# Altium PCB Bran_Main_Assay_PCB_v2_20170826.pcbdoc (part 4 of 4)
Units mm, origin at the board's own origin, x right, y up, seen from the top; angles counter-clockwise.
Board outline 91.65 x 48.25 mm, 6 copper layers (TOP, GND1, Singal, POWER, GND2, BOTTOM), stack 0.8 mm thick; 367 components, 288 nets, 1408 pads, 966 vias.
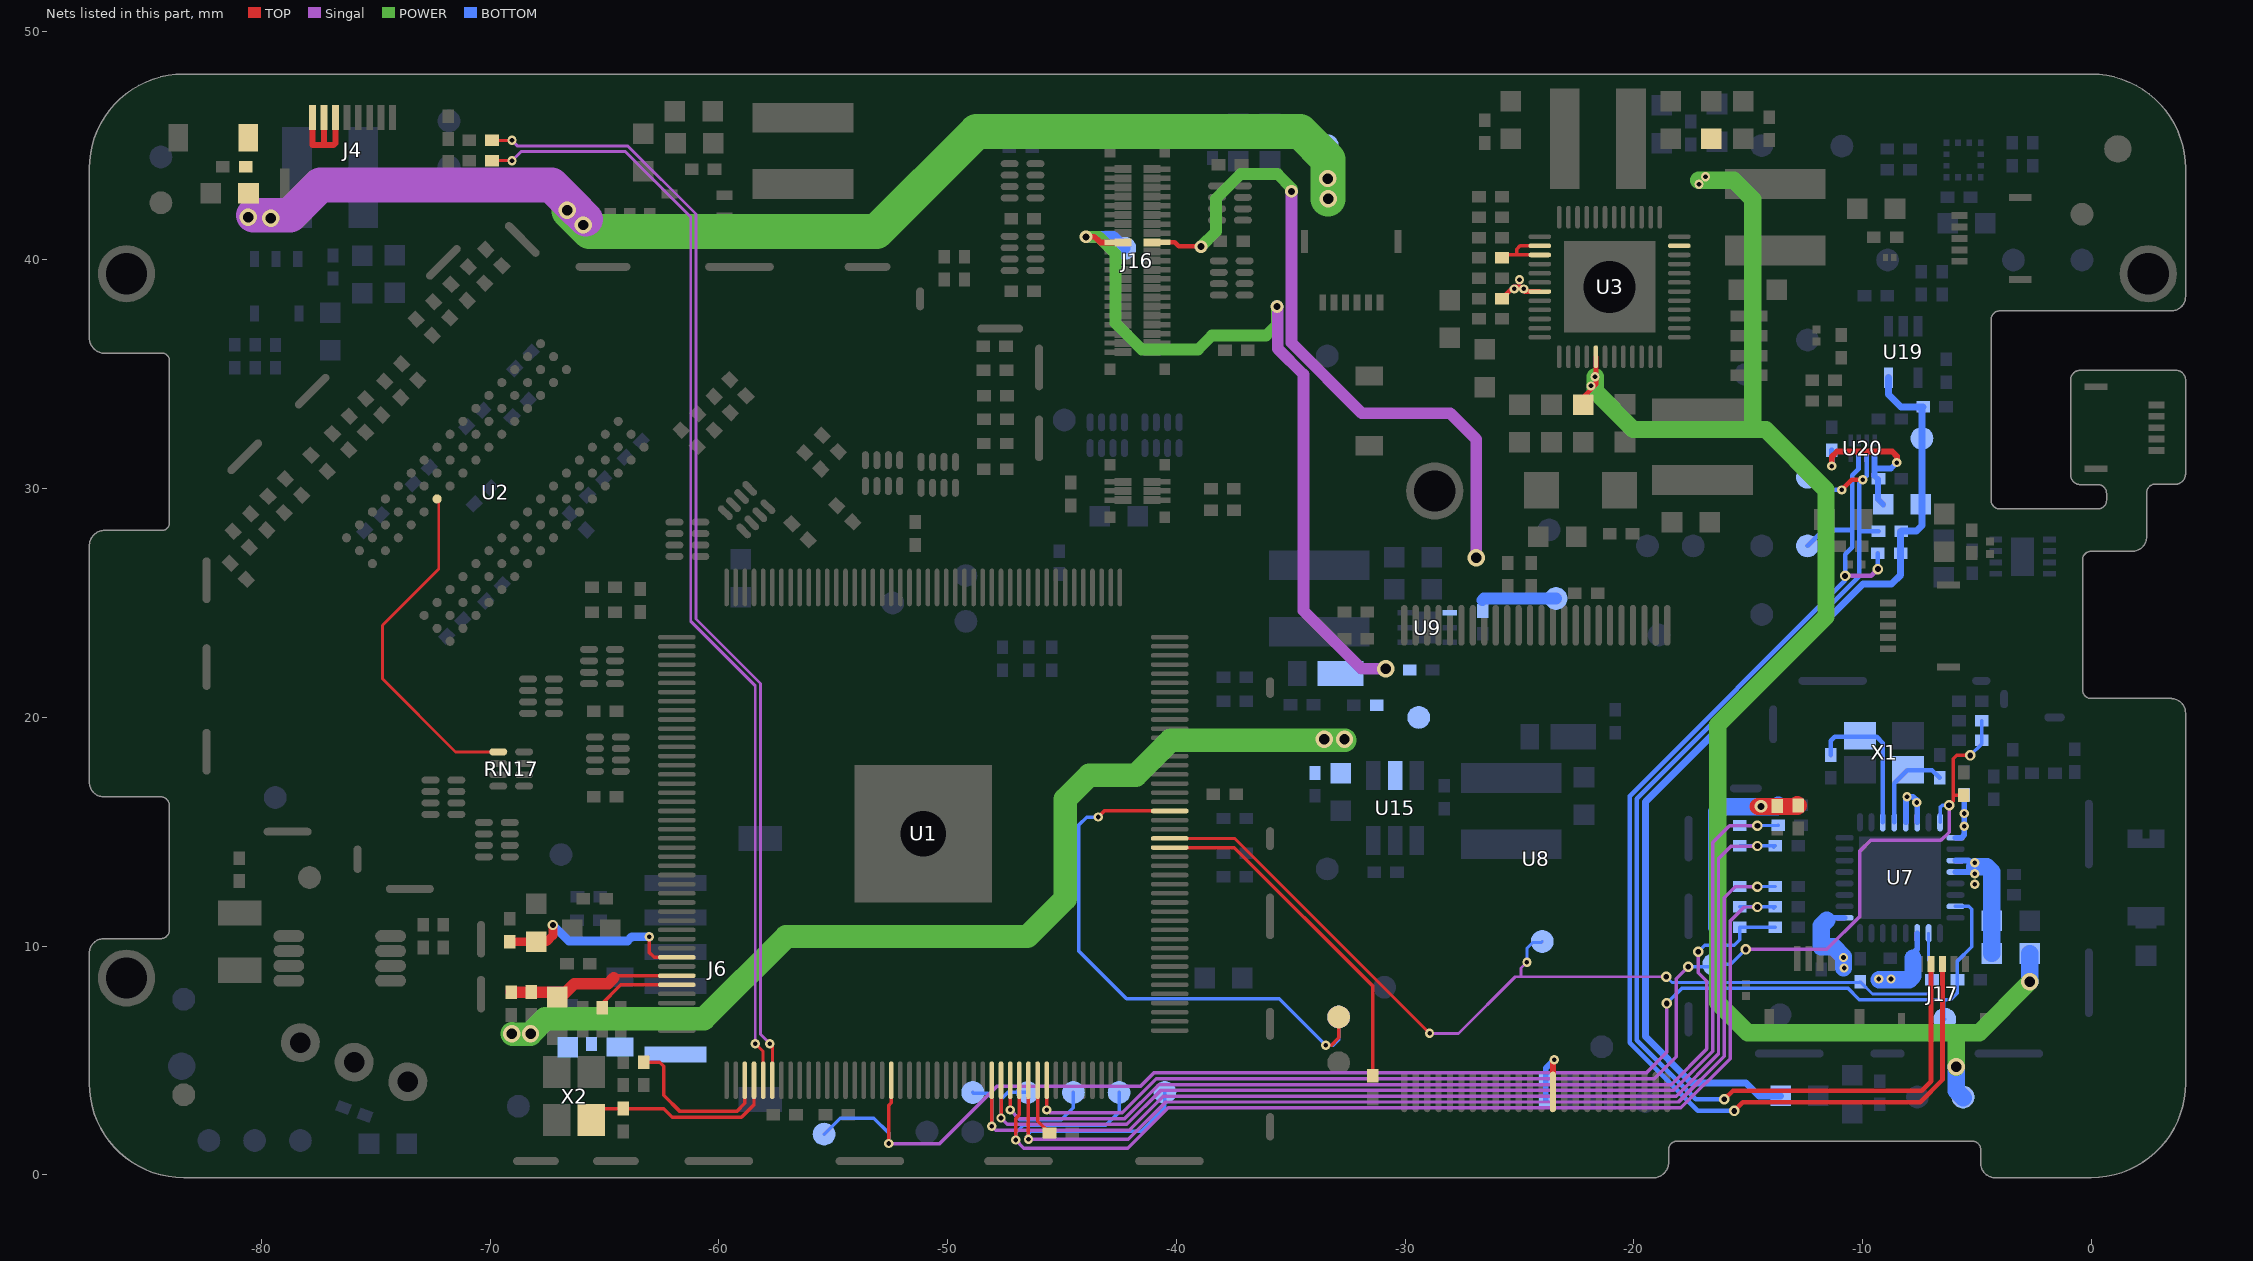
[diagram p8: the nets of this part, all layers, seen from the top]

## Via types
v1: diameter 0.406, hole 0.203, TOP to BOTTOM, tented both sides, 424 vias
v2: diameter 0.457, hole 0.254, TOP to BOTTOM, tented both sides, 256 vias
v3: diameter 0.559, hole 0.305, TOP to BOTTOM, tented both sides, 194 vias
v4: diameter 0.762, hole 0.457, TOP to BOTTOM, tented both sides, 69 vias
v5: diameter 0.61, hole 0.33, TOP to BOTTOM, tented both sides, 11 vias
v6: diameter 0.5, hole 0.2, TOP to BOTTOM, 9 vias
v7: diameter 0.559, hole 0.051, TOP to BOTTOM, tented both sides, 2 vias
v8: diameter 0.508, hole 0.254, TOP to BOTTOM, tented both sides, 1 vias

## Nets (pads, with @x,y where several pads share a name; then routed paths per layer and width w, separated by ;. In a path a pad name is that pad's centre, name@x,y a point inside that pad or via, vN(x,y) a via of type N, cw(c..) or ccw(c..) an arc to the next point about the centre after c; other vN are vias at no path point) (continued)
UBOOT: TP3.1 TP57.1 U1.157 | length 25.3
  TOP w0.152: v1(-43.409,15.642) -43.143,15.908 U1.157@-40.29,15.908 ; -33.231,5.655 -32.9,5.986 TP3.1@-32.9,6.9
  BOTTOM w0.152: v1(-43.409,15.642) -43.917,15.642 -44.263,15.296 -44.263,9.784 -42.176,7.696 -35.496,7.696 v1(-33.464,5.664) -33.145,5.664 -32.9,5.91 TP57.1@-32.9,6.877
USB0-DM: R157.2 U1.93 | length 49.1
  TOP w0.127: R157.2@-69.92,44.342 v1(-69.049,44.342) ; v1(-58.411,5.736) -58.065,5.39 U1.93@-58.065,4.133
  Singal w0.127: v1(-69.049,44.342) -68.642,44.748 -64.096,44.748 -61.23,41.883 -61.23,24.202 -58.411,21.382 v1(-58.411,5.736)
USB0-DP: R158.2 U1.94 | length 49.5
  TOP w0.127: R158.2@-69.92,45.231 v1(-69.049,45.231) ; v1(-57.776,5.736) -57.665,5.625 U1.94@-57.665,4.133
  Singal w0.127: v1(-69.049,45.231) -68.795,44.977 -63.969,44.977 -61.002,42.01 -61.002,24.296 -58.182,21.477 -58.182,6.142 v1(-57.776,5.736)
USB0-IDET: R99.1 U1.153 | length 15.3
  TOP w0.152: U1.153@-40.29,14.308 -37.459,14.308 -31.42,8.269 R99.1@-31.42,4.331
USBVBUS: C145.2 C146.2 D6.1 J4.1 J4.2 J4.3 R15.1 TP33.1 U3.31 | length 59.8
  TOP w0.203: R15.1@-25.764,38.311 -25.281,38.794 -25.256,38.819 -25.221,38.819 -24.94,38.819 -24.94,38.791 -24.849,38.7 -24.768,38.619 U3.31@-24.107,38.619
  TOP w0.254: J4.1@-77.768,46.23 -77.768,45.02 -76.854,45.02 -76.768,45.106 J4.3@-76.768,46.23 ; -77.268,45.063 J4.2@-77.268,46.23
  Singal w1.524: v4@-80.352,41.954 -79.59,41.954 -78.752,41.954 -77.431,43.275 -67.315,43.275 -66.422,42.382 v4@-65.823,41.783
  POWER w1.524: v4@-66.56,42.139 -65.938,41.516 -65.664,41.243 -53.104,41.243 -48.729,45.618 -34.581,45.618 -33.362,44.399 -33.362,43.561 v4(-33.362,42.672)
  other v1: -25.221,38.735 -24.814,38.735 -24.992,39.141
  other v4: -65.925,41.529 -79.59,41.829 -80.569,41.867 -66.626,42.178 -33.375,43.561
VCC-5V: C158.2 C159.1 C226.1 C228.1 D14.1 J6.1 R189.2 TP34.1 U15.5 | length 44.3
  POWER w1.016: v4(-69.049,6.172) -69.024,6.147 v4@-68.236,6.147 ; v4(-68.236,6.172) -67.589,6.82 -60.654,6.82 -57.06,10.414 -46.515,10.414 -44.857,12.072 -44.857,16.423 -43.809,17.471 -41.769,17.471 -40.241,18.999 -33.536,18.999 -32.647,18.999 v4@-32.621,18.999
  other v4: -33.536,19.05 -32.647,19.05
VCC-WIFI-3V3: C174.1 C175.1 C176.1 C243.2 C246.1 C247.1 C250.1 R176.2 R179.1 R200.1 R201.1 R204.2 R205.2 R206.2 R207.2 R208.2 U7.1 U7.3 U7.4 U7.11 U7.17 U7.29 U7.30 | length 28.1
  TOP w0.762: v3@-14.553,16.103 -14.44,16.103 -13.73,16.103 -12.856,16.103 R201.1@-12.813,16.146 R201.1@-12.847,16.18
  BOTTOM w0.254: -11.569,11.125 -11.457,11.237 U7.17@-10.782,11.237 ; U7.29@-8.107,15.412 -8.089,15.431 -8.089,16.529 -8.052,16.529 -7.784,16.529 -7.607,16.352 -7.607,16.277 U7.30@-7.607,15.412 ; C246.1@-7.954,9.433 -7.995,9.474 -7.892,9.578 -7.607,9.863 U7.11@-7.607,10.562 ; U7.4@-5.932,13.237 -5.317,13.237 -5.236,13.318 -5.092,13.462 -5.179,13.549 -5.367,13.737 U7.3@-5.932,13.737 ; U7.1@-5.932,14.737 -5.671,14.737 -5.545,14.863 -5.549,14.867 -5.549,15.24 -5.549,15.799 C175.1@-5.549,16.62
  BOTTOM w0.762: R208.2@-16.362,10.828 R207.2@-16.362,11.717 R179.1@-16.361,12.606 R206.2@-16.362,14.384 R205.2@-16.362,15.273 -16.362,15.883 -16.152,16.092 -14.44,16.092 -13.747,16.092 R204.2@-13.68,16.159 ; -11.569,11.125 -11.797,10.897 C250.1@-11.797,9.974 -11.26,9.974 -10.828,9.543 v1(-10.828,9.499) v1@-10.828,9.042 ; v1@-9.257,8.534 -8.749,8.534 R200.1@-7.954,8.534 -7.788,8.7 C246.1@-7.788,9.474 ; v1@-5.092,13.462 -5.088,13.462 -4.558,13.462 -4.343,13.246 -4.343,13.132 -4.343,12.243 C174.1@-4.343,11.1 R176.2@-4.343,9.677
  other v1: -9.283,8.56 -8.749,8.56 -10.803,9.042 -5.088,12.7 -5.088,13.17 -5.088,13.64 -5.545,15.24 -5.545,15.799 -7.62,16.277 -8.052,16.531
  other v3: -14.44,16.111
VCCA: C242.1 R195.1 R209.2 U20.1 | length 7.8
  TOP w0.254: v1(-11.34,30.988) -11.34,31.394 -11.112,31.623 -8.699,31.623 -8.495,31.42 v1(-8.495,31.14)
  BOTTOM w0.254: v1(-11.34,30.988) R209.2@-11.34,31.682 ; U20.1@-9.469,31.44 -9.469,30.886 ; R195.1@-9.092,29.312 -9.321,29.54 -9.321,30.408 -9.469,30.557 -9.469,30.886 ; v1(-8.495,31.14) -8.749,30.886 -9.469,30.886
VINT: C60.1 U3.26 U3.27 | length 3
  TOP w0.152: C60.1@-25.764,40.089 -25.634,40.219 -25.121,40.219 ; U3.27@-24.107,40.219 -25.121,40.219 ; U3.26@-24.107,40.619 -24.972,40.619 -25.121,40.47 -25.121,40.219
VLED+: C116.2 D12.1 J16.18 TP25.1 | length 35.5
  TOP w0.254: v3(-43.953,41.014) -43.572,41.014 -43.328,40.77 J16.18@-42.925,40.77 J16.18@-42.335,40.77
  Singal w0.508: v3(-35.597,37.966) -35.571,37.941 -35.571,36.121 -34.441,34.99 -34.441,24.663 -31.901,22.123 v4(-30.847,22.123)
  POWER w0.508: v3(-43.953,41.014) -43.395,41.014 -42.658,40.278 -42.658,37.23 -41.515,36.087 -39.051,36.087 -38.442,36.696 -36.079,36.696 -35.597,37.179 v3(-35.597,37.966)
  BOTTOM w0.508: v3(-43.953,41.014) -42.753,41.014 TP25.1@-42.252,40.513
VLED-: J16.17 R50.2 TP27.1 U9.1 | length 33.7
  TOP w0.203: J16.17@-41.065,40.77 J16.17@-40.475,40.77 -40.07,40.77 -39.895,40.595 -38.937,40.595 v3(-38.924,40.583)
  Singal w0.508: v3(-34.962,43.002) -34.962,36.373 -31.888,33.299 -28.028,33.299 -26.885,32.156 v4(-26.885,26.975) v4@-26.885,26.924
  POWER w0.508: v3(-38.924,40.583) -38.264,41.243 -38.264,42.672 -37.179,43.758 -35.578,43.758 -34.962,43.142 v3(-34.962,43.002)
  BOTTOM w0.508: -26.631,25.121 -26.552,25.2 TP27.1@-23.4,25.2
VOC_1V8: C236.1 R195.2 R196.1 R197.1 R198.2 TP46.1 U19.5 | length 43.1
  BOTTOM w0.305: R198.2@-13.575,3.454 -14.527,3.454 -15.086,4.013 -17.467,4.013 -19.494,6.04 -19.494,16.312 -9.974,25.832 -8.724,25.832 -8.326,26.23 R197.1@-8.326,27.178 R196.1@-8.326,28.118 ; U19.5@-8.866,34.857 -8.866,34.127 -8.318,33.579 C236.1@-7.344,33.579 -7.399,33.524 -7.391,33.515 -7.391,32.2 -7.391,29.312 -7.391,28.384 -7.632,28.143 R196.1@-8.3,28.143
VOC_SCL: J17.2 R196.2 TP47.1 U20.2 | length 52.8
  TOP w0.203: v2(-16.039,3.302) -15.658,3.683 -7.403,3.683 -7,4.086 J17.2@-7,9.225 ; v1(-10.904,29.946) -10.461,30.39 v1(-9.983,30.39)
  BOTTOM w0.203: v2(-16.039,3.302) -17.284,3.302 -19.875,5.893 -19.875,16.434 -10.146,26.162 -10.146,30.226 v1(-9.983,30.39) -9.819,30.553 U20.2@-9.819,31.44 ; TP47.1@-12.4,30.5 -11.846,29.946 v1(-10.904,29.946) ; -10.121,28.143 R196.2@-9.3,28.143
VOC_SDA: J17.3 R197.2 TP48.1 U20.3 | length 54.9
  TOP w0.203: v2(-15.607,2.794) -15.226,3.175 -7.48,3.175 -6.5,4.155 J17.3@-6.5,9.225
  Singal w0.203: v2(-10.756,26.187) -9.622,26.187 v2(-9.326,26.484)
  BOTTOM w0.203: v2@-15.633,2.794 -17.207,2.794 -20.179,5.767 -20.179,16.56 -10.769,25.971 -10.769,26.187 -10.769,26.226 v2@-10.756,26.238 ; TP48.1@-12.4,27.5 -11.706,28.194 -10.451,28.194 ; v2(-10.756,26.187) v2@-10.756,26.238 ; U20.3@-10.169,31.44 -10.169,30.864 -10.451,30.582 -10.451,28.194 ; v2(-9.326,26.484) R197.2@-9.326,27.178 ; v2@-10.756,26.238 -10.756,27.127 -10.451,27.432 -10.451,28.194
VPS: R32.2 R35.1 U8.38 | length 3.4
  TOP w0.254: U8.38@-23.533,3.624 -23.533,4.974 v1(-23.47,5.037)
  BOTTOM w0.254: R35.1@-23.843,3.259 R32.2@-23.843,4.148 -23.843,4.664 v1(-23.47,5.037)
VRA1: C1.2 U1.83 | length 3.9
  TOP w0.152: C1.2@-65.167,7.252 -65.167,7.307 -65.167,7.424 -64.284,8.308 U1.83@-61.84,8.308
VRA2: C4.2 C5.2 R1.2 U1.82 | length 8
  TOP w0.152: -64.591,8.611 -64.494,8.708 U1.82@-61.84,8.708
  TOP w0.508: R1.2@-69.086,7.986 -68.207,7.986 -67.076,7.986 C4.2@-66.688,7.986 ; C4.2@-67.076,7.776 -66.899,7.776 C4.2@-66.688,7.986 ; -64.591,8.611 -64.846,8.356 -66.318,8.356 C4.2@-66.688,7.986
VRP: C2.2 C3.2 U1.80 | length 9
  TOP w0.152: v1(-63.043,10.405) -63.054,10.394 -63.054,9.736 -62.825,9.508 U1.80@-61.84,9.508
  TOP w0.381: C3.2@-69.137,10.193 -67.994,10.193 -67.529,10.193 -67.258,10.465 v2(-67.258,10.922)
  BOTTOM w0.381: v2(-67.258,10.922) -66.561,10.225 -63.995,10.225 -63.815,10.405 v1(-63.043,10.405)
WE: RN17.1 U2.L3 | length 15.3
  TOP w0.127: U2.L3@-72.321,29.551 -72.248,29.478 -72.248,26.49 -74.712,24.026 -74.712,21.689 -71.515,18.492 RN17.1@-69.648,18.492
WI-FI_EN: R180.1 TP44.1 TP87.1 U1.107 U7.7 | length 63.4
  TOP w0.152: v1(-52.578,1.367) -52.578,3.032 -52.465,3.145 U1.107@-52.465,4.133
  Singal w0.152: v1(-52.578,1.367) -50.346,1.367 -47.832,3.882 -41.557,3.882 -40.986,4.453 -19.46,4.453 -18.554,5.359 v2(-18.554,7.493)
  BOTTOM w0.152: TP87.1@-55.4,1.777 -54.7,2.478 -53.226,2.478 -52.578,1.83 v1(-52.578,1.367) v1@-52.578,1.314 ; v2(-18.554,7.493) -17.881,8.166 -10.642,8.166 -10.134,7.658 -6.438,7.658 ; TP44.1@-6.413,6.513 TP44.1@-6.4,6.5 ; TP44.1@-6.4,6.8 -6.438,6.838 -6.438,7.658 ; U7.7@-5.932,11.737 -5.348,11.737 -5.219,11.608 -5.219,9.974 -5.846,9.347 R180.1@-5.846,8.534 -5.846,7.958 -6.146,7.658 -6.438,7.658
WIFI_3V3: C63.2 C69.2 R176.1 TP51.1 U3.11 U3.41 | length 71.4
  TOP w0.203: C63.2@-22.2,33.676 -22.2,33.993 -21.784,34.409 -21.651,34.542 -21.651,34.899 -21.651,35.763 U3.41@-21.657,35.769
  POWER w0.762: v1(-21.69,34.899) -21.69,34.493 -21.69,34.264 -20.014,32.588 -14.668,32.588 ; v1@-17.164,43.48 -17.144,43.48 -16.864,43.48 -15.628,43.48 -14.795,42.647 -14.795,32.715 -14.668,32.588 ; v4@-5.891,4.699 -5.891,4.724 -5.891,6.219 ; v4(-2.679,8.433) -4.893,6.219 -5.891,6.219 ; -14.668,32.588 -14.236,32.588 -11.594,29.947 -11.594,24.409 -16.319,19.685 -16.319,7.514 -15.023,6.219 -5.891,6.219
  BOTTOM w0.762: v4(-5.905,4.724) -5.905,3.682 -5.611,3.389 TP51.1@-5.6,3.377 ; R176.1@-2.692,9.677 -2.679,9.665 v4(-2.679,8.433)
  other v1: -21.868,34.493 -17.144,43.307 -16.864,43.637
WL-RESTN: C244.2 C245.1 R202.1 TP45.1 U1.124 U7.32 | length 57
  TOP w0.152: v1(-45.665,2.838) U1.124@-45.665,4.133 ; v2(-6.209,16.154) -6.024,16.34 -6.024,16.594 ; C244.2@-5.574,16.594 -6.024,16.594 ; v2(-5.282,18.339) -5.879,18.339 -6.024,18.194 -6.024,16.594
  Singal w0.152: v1(-45.665,2.838) -45.538,2.711 -42.369,2.711 -40.881,4.199 -19.099,4.199 -18.134,5.165 -18.134,8.573 v2(-17.614,9.093) ; v2(-15.099,9.855) -11.564,9.855 -10.108,11.311 -10.108,14.16 -9.638,14.63 -6.565,14.63 -6.209,14.986 v2(-6.209,16.154)
  BOTTOM w0.152: v2@-17.665,9.093 v2(-17.614,9.093) -16.607,9.093 TP45.1@-16.5,9.2 -15.755,9.2 v2(-15.099,9.855) ; U7.32@-6.607,15.412 -6.607,16.062 -6.514,16.154 v2(-6.209,16.154) ; v2(-5.282,18.339) -4.782,18.839 C245.1@-4.782,18.999 R202.1@-4.782,19.863
WL-SDIO-CLK: R171.1 U1.123 | length 2.5
  TOP w0.152: U1.123@-46.065,4.133 -46.065,2.348 R171.1@-45.546,1.829
WL-SDIO-CMD: R170.1 R179.2 TP42.1 U1.122 | length 52.2
  TOP w0.152: v1@-46.554,1.638 v1(-46.465,1.549) ; v1@-46.465,1.521 v1(-46.465,1.549) ; U1.122@-46.465,4.133 -46.468,4.13 -46.468,2.384 -46.465,2.381 v1(-46.465,1.549)
  Singal w0.152: v1(-46.465,1.549) -42.094,1.549 -40.46,3.183 -18.041,3.183 -16.039,5.185 -16.039,12.116 -15.557,12.598 v2(-14.591,12.598)
  BOTTOM w0.152: v1(-46.465,1.549) -46.465,1.807 -46.367,1.905 -41.541,1.905 -40.508,2.938 -40.5,2.938 TP42.1@-40.5,3.6 ; R179.2@-15.361,12.606 -14.591,12.606 R170.1@-13.81,12.606
WL-SDIO-D0: R172.1 R206.1 TP41.1 U1.118 | length 49.5
  TOP w0.152: v1(-48.065,2.127) U1.118@-48.065,4.133
  Singal w0.152: v1(-48.065,2.127) -47.887,1.949 -42.053,1.949 -40.565,3.437 -18.146,3.437 -16.293,5.29 -16.293,13.818 -15.734,14.376 v2(-14.591,14.376)
  BOTTOM w0.152: TP41.1@-48.9,3.6 -48.856,3.556 -48.246,3.556 -48.065,3.374 v1(-48.065,2.127) ; R206.1@-15.362,14.384 -14.591,14.384 R172.1@-13.81,14.384 R172.1@-13.873,14.321
WL-SDIO-D1: R173.1 R205.1 TP40.1 U1.119 | length 49.6
  TOP w0.152: v1@-47.665,2.384 v1(-47.665,2.482) U1.119@-47.665,4.133
  Singal w0.152: v1(-47.665,2.482) -47.385,2.203 -42.159,2.203 -40.67,3.691 -18.252,3.691 -16.547,5.396 -16.547,14.529 -15.811,15.265 v2(-14.591,15.265) v2@-14.566,15.265
  BOTTOM w0.152: v1@-47.727,2.545 v1(-47.665,2.482) -47.665,3.299 -47.364,3.6 TP40.1@-46.5,3.6 ; R205.1@-15.362,15.273 -14.591,15.273 -13.691,15.273 R173.1@-13.685,15.279
WL-SDIO-D2: R168.1 R208.1 TP39.1 U1.120 | length 45.5
  TOP w0.152: v1(-47.265,2.838) U1.120@-47.265,4.133
  Singal w0.152: v1(-47.265,2.838) -46.884,2.457 -42.264,2.457 -40.776,3.945 -18.357,3.945 -16.801,5.501 -16.801,8.458 -17.182,8.839 v2(-17.182,9.754)
  BOTTOM w0.152: v1(-47.265,2.838) -46.84,2.413 -45.025,2.413 -44.5,2.938 TP39.1@-44.5,3.6 ; v2(-17.182,9.754) -16.903,10.033 -15.607,10.033 -15.362,10.279 R208.1@-15.362,10.828 R168.1@-13.81,10.828
WL-SDIO-D3: R169.1 R207.1 TP38.1 U1.121 | length 50.9
  TOP w0.127: U1.121@-46.865,4.133 U1.121@-46.862,4.13
  TOP w0.152: v1(-47.016,1.52) -47.016,2.462 -46.862,2.616 U1.121@-46.862,4.13
  Singal w0.152: v1(-47.016,1.52) -46.664,1.168 -42.116,1.168 -40.355,2.929 -17.936,2.929 -15.785,5.08 -15.785,11.1 -15.176,11.709 v2(-14.591,11.709)
  BOTTOM w0.152: v1(-47.016,1.52) -47.016,1.84 -46.697,2.159 -43.09,2.159 -42.481,2.769 -42.5,2.788 TP38.1@-42.5,3.6 ; R207.1@-15.362,11.717 -14.591,11.717 R169.1@-13.81,11.717 R169.1@-13.873,11.654
WL-WAKE-UP: R200.2 R203.1 TP37.1 U1.154 U7.10 | length 43
  TOP w0.127: U1.154@-40.29,14.708 -37.446,14.708 v1(-28.926,6.188)
  Singal w0.127: v1@-28.919,6.181 -27.661,6.181 -25.18,8.661 -24.925,8.661 ; v1(-24.671,9.296) -24.925,9.042 -24.925,8.661 ; v2(-18.579,8.661) -24.925,8.661
  BOTTOM w0.127: v1(-24.671,9.296) -24.671,9.906 -24.417,10.16 -24.04,10.16 TP37.1@-24,10.2 ; v2(-18.579,8.661) -18.325,8.407 -10.129,8.407 R203.1@-10.096,8.441 -9.554,7.899 -7.157,7.899 -6.954,8.103 R200.2@-6.954,8.534 -6.954,9.228 -7.107,9.381 U7.10@-7.107,10.562
X24MI: C37.2 U1.92 X2.1 | length 9
  TOP w0.152: X2.1@-65.583,2.395 -65.583,2.713 -65.401,2.895 C37.2@-64.186,2.895 -62.419,2.895 -62.039,2.515 -59.012,2.515 -58.465,3.062 U1.92@-58.465,4.133
X24MO: R9.1 U1.91 | length 7.2
  TOP w0.152: R9.1@-63.283,4.927 -62.59,4.927 -62.408,4.745 -62.408,3.475 -61.701,2.769 -59.219,2.769 -58.865,3.123 U1.91@-58.865,4.133
XTAL_IN: C220.1 U7.28 X1.1 | length 4.1
  BOTTOM w0.203: U7.28@-8.607,15.412 -8.607,17.119 -8.04,17.686 -8,17.686 -6.958,17.686 C220.1@-6.628,17.356
XTAL_OUT: C221.1 U7.27 X1.3 | length 6.5
  BOTTOM w0.203: C221.1@-11.378,18.356 -11.378,18.984 -11.214,19.147 -10.1,19.147 -9.373,19.147 -9.107,18.881 U7.27@-9.107,15.412
pads on no net: J4.9 J4.10 J5.5 J6.3 J6.4 J17.5 J18.5 M1.4 M1.5 M2.4 M2.5 U1.14 U1.15 U1.74 U1.77 U1.78 U1.84 U1.85 U1.87 U1.88 U1.89 U1.90 U1.95 U1.96 U1.99 U1.150 U1.155 U2.J1 U2.J9 U2.L1 U2.L9 U2.M7 U3.3 U3.5 U3.18 U3.19 U3.29 U3.30 U7.5 U7.6 U7.8 U7.9 U7.12 U7.13 U7.14 U7.15 U7.25 U8.3 U8.4 U8.5 U8.11 U8.14 U8.15 U8.20 U8.21 U8.22 U8.26 U8.27 U8.28 U8.33 U8.40 U8.45 U8.46 U8.47 U9.2 U21.3 U21.6

## Polygon pours and split planes (outlines as drawn)
GND on TOP "Bottom-No Net" (solid, remove dead copper, pour order 615): -91.288,50.013 5.182,50.013 5.283,50.114 5.283,-2.997 5.715,-3.429 -88.519,-3.429 -89.916,-2.032
USBVBUS on TOP "Bottom Layer-No Net" (solid, remove dead copper, pour order 538): -79.311,41.224 -81.165,41.224 -81.165,46.203 -79.869,46.203 -78.168,46.203 -78.168,45.745 -78.168,45.593 -76.542,45.593 -76.542,43.942 -76.694,44.094 -79.488,44.094 -79.209,44.094 -79.209,42.316 -79.209,41.224
IPSOUT on TOP "Bottom Layer-No Net" (solid, remove dead copper, pour order 531): -53.834,48.743 -53.834,43.383 -53.834,42.977 -53.614,42.756 -25.764,42.756 -25.764,49.323 -26.225,49.784
GND on TOP "GRD" (solid, pour order 561): -1.282,35.331 -1.18,35.23 4.382,35.23 4.382,30.226 4.23,30.074 4.128,29.972 -1.18,29.972
N496392 on TOP "Bottom Layer-No Net" (solid, remove dead copper, pour order 548): -21.373,31.058 -21.398,31.032 -21.398,28.746 -20.357,28.746 -20.357,27.121 -17.791,27.121 -17.766,27.095 -17.715,27.146 -17.715,29.457 -14.667,29.457 -14.642,29.432 -14.642,31.134 -21.373,31.134 -21.398,31.108
DCIN-5V on TOP "TOP-No Net 1" (solid, remove dead copper, pour order 556): -32.371,37.625 -32.371,35.107 -32.346,35.077 -28.866,35.077 -28.866,37.712 -28.942,37.625 -32.371,37.625
N496496 on TOP "Bottom Layer-No Net" (solid, remove dead copper, pour order 544): -17.501,39.454 -17.501,40.216 -17.498,40.219 -17.117,40.219 -16.358,40.978 -16.231,41.105 -15.977,41.105 -11.58,41.105 -11.516,41.169 -11.326,40.978 -11.326,39.4 -16.05,39.4 -16.104,39.454 -16.739,39.454 -17.466,39.454 -17.501,39.419
N497618 on TOP "TOP-No Net 1" (solid, remove dead copper, pour order 546): -20.057,35.263 -20.035,35.241 -19.257,35.241 -18.898,34.882 -18.771,35.009 -14.58,35.009 -14.58,32.596 -14.705,32.471 -19.848,32.471 -19.848,34.059 -19.787,34.12 -19.914,34.247 -20.041,34.247
N502982 on TOP "TOP-No Net 1" (solid, remove dead copper, pour order 551): -53.961,43.986 -53.936,43.961 -53.936,42.589 -60.159,42.589 -60.159,43.097 -58.584,43.097 -58.584,44.012 -54.037,44.012 -54.012,43.986
N502826 on TOP "TOP-No Net 1" (solid, remove dead copper, pour order 552): -54.037,45.612 -59.498,45.612 -59.498,43.478 -59.574,43.402 -59.6,43.427 -60.438,43.427 -60.438,47.085 -60.362,47.161 -60.26,47.263 -54.037,47.263
IPSOUT on TOP "TOP-No Net 1" (solid, remove dead copper, pour order 560): -65.289,44.52 -65.289,42.564 -61.759,42.564 -61.632,42.437 -61.657,42.462 -61.657,44.52
CORE-VDD on TOP "Bottom Layer-No Net" (solid, remove dead copper, pour order 550): -50.862,21.609 -42.175,21.609 -42.15,21.583 -42.175,21.558 -42.175,15.056 -42.175,12.973 -42.201,12.947 -42.226,12.922 -46.138,12.922 -46.138,19.221 -46.163,19.247 -46.265,19.348 -51.065,19.348 -51.065,21.558 -51.015,21.609
GND on BOTTOM "Bottom-No Net" (solid, remove dead copper, pour order 609): -91.135,50.089 5.258,50.089 5.41,49.936 5.41,-2.261 4.648,-3.023 -87.808,-3.023 -89.179,-1.651
CORE-VDD on BOTTOM "Bottom Layer-No Net" (solid, remove dead copper, pour order 555): -51.04,6.572 -51.04,4.642 -51.904,3.778 -52.132,3.549 -56.78,3.549 -57.136,3.549 -57.187,3.499 -57.238,3.549 -57.238,17.799 -57.238,23.463 -57.212,23.488 -57.187,23.514 -51.675,23.514 -49.999,23.514 -49.745,23.26 -49.618,23.133 -49.618,19.145 -49.618,18.916 -49.668,18.866 -49.694,18.891 -55.587,18.891 -55.587,6.572 -55.561,6.547
USBVBUS on BOTTOM "Bottom Layer-No Net" (solid, remove dead copper, pour order 537): -34.251,44.069 -32.143,44.069 -32.143,41.453 -32.117,41.478 -31.101,41.478 -25.64,41.478 -24.853,40.691 -24.447,40.284 -24.447,38.329 -34.149,38.329 -34.251,38.43
CORE-VDD on BOTTOM "Bottom Layer-No Net" (solid, remove dead copper, pour order 536): -28.612,41.91 -32.575,41.91 -32.575,46.965 -28.739,46.965 -19.265,46.965 -19.265,45.974 -19.265,44.171 -19.316,44.221 -25.894,44.221 -28.612,44.221
VCC-5V on BOTTOM "Bottom Layer-No Net" (solid, remove dead copper, pour order 533): -30.06,16.739 -30.06,19.355 -30.06,21.031 -30.085,21.057 -31.736,21.057 -31.736,19.863 -33.591,19.863 -34.505,19.863 -34.505,18.466 -34.505,16.967 -32.625,16.967 -32.244,16.967 -32.244,18.009 -32.244,18.593 -31.482,18.593 -30.898,18.593 -30.898,17.983 -30.898,16.739
VCC-5V on BOTTOM "Bottom Layer-No Net" (solid, remove dead copper, pour order 528): -69.074,6.096 -66.331,6.096 -60.286,6.096 -60.286,5.588 -60.286,4.597 -63.182,4.597 -68.846,4.597 -69.074,4.369
HPVCC on BOTTOM "Bottom Layer-No Net" (solid, remove dead copper, pour order 530): -39.839,44.907 -39.811,44.933 -34.399,44.933 -34.399,43.555 -34.378,43.536 -37.007,43.536 -39.836,43.536 -39.839,43.538
VLED+ on BOTTOM "Bottom Layer-No Net" (solid, remove dead copper, pour order 534): -33.87,22.657 -29.4,22.657 -29.4,21.647 -29.4,21.311 -33.184,21.311 -33.819,21.311 -33.87,21.367
IPSOUT on BOTTOM "Bottom Layer-No Net" (solid, remove dead copper, pour order 532): -29.3,26.139 -29.265,26.167 -27.224,26.167 -27.224,27.689 -23.285,27.689 -23.214,27.745 -23.214,28.88 -29.265,28.88 -29.3,28.852 -29.476,28.852 -29.476,26.111
N17800108 on BOTTOM "Bottom Layer-No Net" (solid, remove dead copper, pour order 529): -29.958,27.788 -36.156,27.788 -36.156,26.594 -36.156,25.933 -36.131,25.959 -31.381,25.959 -31.381,24.435 -31.355,24.46 -29.628,24.46 -29.628,24.816 -29.654,24.79 -29.958,24.79 -29.958,27.788
N17800564 on BOTTOM "Bottom Layer-No Net" (solid, remove dead copper, pour order 526): -29.654,23.419 -29.654,23.622 -31.305,23.622 -31.33,23.647 -31.305,23.673 -31.305,24.46 -36.156,24.46 -36.156,22.073 -35.521,22.073 -35.521,21.082 -34.124,21.082 -34.099,21.107 -34.073,21.133 -34.073,22.809 -29.704,22.809 -29.654,22.86
VLED- on BOTTOM "Bottom Layer-No Net" (solid, remove dead copper, pour order 525): -28.358,24.358 -28.333,24.333 -26.275,24.333 -26.275,27.407 -26.25,27.432 -26.301,27.382 -27.444,27.382 -27.571,27.382 -27.571,25.176 -27.571,24.879 -28.13,24.879 -28.358,24.879
GND on BOTTOM "GRD" (solid, remove dead copper, pour order 562): -1.358,35.306 4.281,35.306 4.332,35.357 4.128,35.154 4.128,30.226 -1.51,30.226 -1.536,30.201
IPSOUT on BOTTOM "TOP-No Net 1" (solid, remove dead copper, pour order 558): -75.373,36.646 -75.399,36.62 -77.812,36.62 -77.812,38.093 -78.726,38.093 -78.726,35.452 -78.65,35.376 -75.373,35.376
DCIN-5V on BOTTOM "TOP-No Net 1" (solid, remove dead copper, pour order 557): -24.649,38.195 -24.7,38.139 -32.371,38.139 -32.371,35.105 -32.396,35.077 -32.371,35.105 -25.31,35.105 -25.31,36.775 -25.284,36.803 -25.259,36.775 -24.649,36.775
N499368 on BOTTOM "TOP-No Net 1" (solid, remove dead copper, pour order 547): -73.29,46.018 -73.316,45.993 -73.316,39.744 -77.38,39.744 -77.405,39.719 -77.38,39.744 -77.38,40.913 -76.186,40.913 -76.161,40.938 -76.161,45.993
CPU-VDD on BOTTOM "Bottom Layer-No Net" (solid, remove dead copper, pour order 553): -43.801,21.329 -43.268,21.329 -43.268,21.837 -43.242,21.863 -42.023,23.082 -41.54,23.565 -37.527,23.565 -37.527,15.081 -37.553,15.056 -37.705,15.208 -40.651,15.208 -40.651,19.856 -40.753,19.958 -43.776,19.958
CORE-VDD on BOTTOM "Bottom Layer-No Net" (solid, remove dead copper, pour order 554): -44.03,14.395 -44.03,12.693 -44.055,12.668 -44.055,12.541 -37.578,12.541 -37.781,12.744 -37.781,14.852 -44.03,14.852
BAT on BOTTOM "Bottom Layer-No Net" (solid, remove dead copper, pour order 539): -74.575,5.113 -70.892,5.113 -69.622,3.843 -69.266,3.488 -69.266,2.573 -69.266,0.617 -69.292,0.592 -73.457,0.592 -74.549,0.592 -74.575,0.617
N499376 on BOTTOM "Bottom Layer-No Net" (solid, pour order 540): -80.606,38.096 -80.021,38.096 -80.021,36.775 -79.107,36.775 -78.929,36.775 -78.929,36.216 -78.929,35.81 -79.894,35.81 -81.622,35.81 -81.622,36.775 -80.58,36.775 -80.58,37.791 -80.58,38.096
IPSOUT on BOTTOM "Bottom Layer-No Net" (solid, pour order 541): -28.18,20.697 -25.919,20.697 -25.919,22.043 -25.919,22.246 -24.548,22.246 -23.735,22.246 -23.735,21.459 -23.735,19.909 -23.71,19.884 -23.71,19.147 -23.71,18.385 -23.837,18.258 -28.18,18.258
N17550444 on BOTTOM "Bottom Layer-No Net" (solid, pour order 542): -29.831,16.709 -21.5,16.709 -21.5,19.528 -21.5,19.757 -22.363,19.757 -23.659,19.757 -23.659,19.376 -23.659,18.055 -24.091,18.055 -28.434,18.055 -28.434,18.309 -28.434,18.385 -29.069,18.385 -29.831,18.385
N17550467 on BOTTOM "Bottom Layer-No Net" (solid, pour order 543): -29.806,15.261 -23.125,15.261 -22.948,15.261 -22.948,13.61 -22.973,13.635 -25.284,13.635 -29.806,13.635
GND on POWER "Bottom-No Net" (solid, remove dead copper, pour order 601): -90.4,50 3.1,50 4.7,48.4 4.7,2.1 1.4,-1.2 -89.9,-1.2 -92.1,1
HPVCC on POWER "Bottom-No Net" (solid, remove dead copper, pour order 591): -9.359,46.482 -9.308,46.431 -1.206,46.431 -1.206,43.106 -1.2,43.1 -6.394,43.1 -6.4,43.094 -6.387,43.081 -6.387,41 -9.313,41 -9.359,41.046
CORE-VDD on POWER "Bottom Layer-No Net" (solid, pour order 79): -66.505,10.744 -55.608,10.744 -55.583,10.769 -55.583,15.951 -55.583,18.948 -55.608,18.974 -49.284,18.974 -49.284,21.615 -49.334,21.564 -51.087,21.564 -51.087,23.165 -51.062,23.19 -51.062,23.419 -58.555,23.419 -58.58,23.444 -58.58,22.58 -58.58,14.3 -58.58,14.021 -66.479,14.021
CPU-VDD on POWER "Bottom Layer-No Net" (solid, pour order 77): -34.602,41.529 -35.237,41.529 -35.237,39.065 -35.237,36.296 -36.914,34.62 -37.803,33.731 -45.448,33.731 -45.474,33.731 -45.499,33.706 -45.499,31.851 -36.355,31.851 -35.822,32.385 -33.866,34.341 -33.866,35.509 -33.866,41.249 -33.79,41.326
CPU-VDD on POWER "Bottom Layer-No Net" (solid, remove dead copper, pour order 75): -11.819,44.551 -22.766,44.551 -23.528,45.313 -23.604,45.39 -25.23,45.39 -29.802,45.39 -30.615,44.577 -30.665,44.526 -30.665,43.764 -30.665,40.995 -31.3,40.36 -32.164,39.497 -32.164,35.814 -32.164,33.604 -32.951,32.817 -34.018,31.75 -34.018,29.667 -34.018,28.143 -37.142,25.019 -37.193,24.968 -43.111,24.968 -43.238,24.968 -43.238,21.92 -43.238,20.244 -43.492,19.99 -43.518,20.015 -46.718,20.015 -47.048,20.015 -47.429,20.015 -47.429,21.971 -49.487,21.971 -49.487,28.499 -46.972,31.013 -45.524,32.461 -40.216,32.461 -37.828,32.461 -34.704,35.585 -34.602,35.687 -34.602,41.427 -34.602,41.884 -32.621,43.866 -32.418,44.069 -32.418,46.863 -32.418,47.142 -26.779,47.142 -11.717,47.142 -11.717,46.279 -11.717,47.041 -11.615,47.142 -11.59,47.117 -11.59,45.085 -11.59,44.551
CORE-VDD on POWER "Bottom Layer-No Net" (solid, remove dead copper, pour order 73): -39.581,22.885 -33.459,22.885 -33.332,22.758 -33.282,22.707 -33.078,22.707 -33.078,22.657 -33.51,22.225 -33.891,21.844 -36.711,21.844 -37.142,21.844 -38.616,20.371 -39.022,19.964 -40.216,19.964 -40.216,22.555 -40.089,22.682 -39.886,22.885 -33.434,22.885
CORE-VDD on POWER "Bottom Layer-No Net" (solid, remove dead copper, pour order 69): -28.379,42.189 -27.998,42.189 -27.998,32.944 -29.345,31.597 -30.538,30.404 -30.538,28.194 -30.538,25.197 -32.164,23.571 -33.51,22.225 -37.879,22.225 -37.904,22.225 -39.352,20.777 -40.19,19.939 -40.394,19.939 -40.394,22.911 -40.165,23.139 -39.708,23.596 -35.39,23.596 -34.171,23.596 -32.012,25.755 -30.792,26.975 -30.792,32.207 -30.792,32.232 -28.862,34.163 -28.811,34.214 -28.811,41.935
CORE-VDD on POWER "Bottom Layer-No Net" (solid, remove dead copper, pour order 67): -30.335,43.058 -30.335,43.637 -28.964,43.637 -28.938,43.612 -28.938,41.935 -30.335,41.935
CORE-VDD on POWER "Bottom Layer-No Net" (solid, remove dead copper, pour order 63): -30.335,34.722 -30.335,43.332 -30.056,43.612 -30.03,43.637 -28.481,43.637 -28.379,43.637 -28.354,43.662
CORE-VDD on POWER "Bottom Layer-No Net" (solid, remove dead copper, pour order 61): -51.036,21.59 -47.836,21.59 -47.836,19.913 -47.81,19.888 -44.788,19.888 -42.781,19.888 -42.375,20.294 -41.638,21.031 -41.638,24.358 -41.638,24.511 -41.689,24.562 -39.479,24.562 -35.822,24.562 -33.586,26.797 -33.561,26.822 -33.561,31.089 -33.561,31.521 -31.097,33.985 -29.98,35.103 -29.98,41.656 -29.98,43.434 -28.354,43.434 -28.354,32.867 -29.599,31.623 -30.742,30.48 -30.742,25.654 -30.742,25.501 -32.52,23.723 -33.713,22.53 -37.447,22.53 -38.539,22.53 -38.539,21.691 -39.911,20.32 -41.994,18.237 -51.062,18.237
BAT on POWER "Bottom Layer-No Net" (solid, pour order 59): -20.785,13.487 -20.531,13.741 -20.531,14.478 -20.531,32.105 -20.531,32.131 -20.785,32.131 -20.963,32.131 -20.963,13.436 -20.988,13.411
BAT on POWER "Bottom Layer-No Net" (solid, remove dead copper, pour order 55): -33.586,18.186 -33.053,18.186 -33.002,18.186 -32.52,17.704 -28.887,14.071 -27.821,14.071 -25.585,14.071 -24.417,15.24 -24.138,15.519 -24.138,17.754 -24.138,20.294 -24.112,20.32 -24.087,20.345 -23.68,20.345 -22.69,20.345 -22.639,20.294 -22.741,20.193 -22.741,13.995 -22.741,13.944 -24.112,12.573 -24.29,12.751 -30.361,12.751 -30.361,14.706 -33.79,18.135
BAT on POWER "Bottom Layer-No Net" (solid, remove dead copper, pour order 49): -57.894,7.747 -61.349,4.292 -61.45,4.292 -61.45,3.632 -61.349,3.53 -61.12,3.759 -56.954,3.759 -56.954,7.848
BAT on POWER "Bottom Layer-No Net" (solid, remove dead copper, pour order 47): -57.894,6.858 -57.894,7.772 -56.65,9.017 -56.319,9.347 -54.364,9.347 -46.032,9.347 -44.153,11.227 -43.01,12.37 -43.01,15.011 -43.01,15.951 -42.527,16.434 -42.375,16.586 -40.47,16.586 -40.47,11.735 -42.857,9.347 -44.204,8.001 -55.608,8.001 -55.608,7.925 -56.65,6.883
IPSOUT on POWER "GRD" (solid, remove dead copper, pour order 563): -27.44,44.399 -27.331,44.501 -16.195,44.501 -16.195,38.608 -16.141,38.557 -16.168,38.532 -16.168,34.442 -16.168,33.884 -16.222,33.833 -16.25,33.807 -27.412,33.807
VCC-WIFI-3V3 on POWER "Bottom Layer-No Net" (solid, remove dead copper, pour order 535): -15.734,16.561 -15.76,16.535 -15.76,11.709 -15.76,7.823 -15.734,7.849 -9.13,7.849 -3.669,7.849 -3.644,7.823 -4.431,8.611 -4.431,17.043 -15.684,17.043 -15.734,16.993
DRAM-VCC on POWER "TOP-No Net 1" (solid, remove dead copper, pour order 559): -71.284,41.218 -69.455,41.218 -67.474,39.236 -67.093,39.236 -46.976,39.236 -46.392,38.652 -46.011,38.271 -46.011,32.632 -46.189,32.632 -49.668,29.153 -49.795,29.026 -49.795,23.692 -59.041,23.692 -59.066,23.666 -59.143,23.59 -59.143,16.199 -59.143,14.802 -59.168,14.776 -59.219,14.725 -82.434,14.725 -82.434,29.635 -70.827,41.243
BAT on POWER "Bottom Layer-No Net" (solid, remove dead copper, pour order 45): -72.474,0.914 -69.273,0.914 -69.273,1.575 -68.511,1.575 -56.065,1.575 -54.516,3.124 -54.516,5.969 -44,5.969 -39.53,10.439 -38.87,11.1 -38.87,13.563 -38.87,14.833 -38.412,15.291 -38.311,15.392 -35.161,15.392 -35.11,15.392 -34.094,14.376 -29.954,10.236 -27.922,10.236 -24.036,10.236 -22.385,11.887 -20.785,13.487 -20.785,15.646 -20.785,31.496 -20.785,31.902 -20.785,32.131 -21.725,33.071 -23.071,34.417 -24.798,34.417 -24.798,33.452 -24.138,32.791 -23.63,32.283 -23.63,29.921 -23.63,15.214 -24.468,14.376 -25.281,13.563 -28.913,13.563 -28.964,13.563 -31.732,16.332 -33.586,18.186 -39.708,18.186 -39.86,18.186 -41.892,16.154 -42.375,15.672 -42.375,12.319 -42.375,12.166 -43.238,11.303 -45.524,9.017 -48.293,9.017 -56.015,9.017 -57.666,7.366 -57.894,7.137 -57.894,5.004 -58.25,4.648 -58.402,4.496 -72.474,4.496
GND on GND1 "Bottom-No Net" (solid, remove dead copper, pour order 595): -89.1,50.1 3.4,50.1 4,49.5 4,-0.7 3.2,-1.5 -88.1,-1.5 -90.5,0.9
GND on Singal "Bottom-No Net" (solid, remove dead copper, pour order 597): -88.5,49.5 1.6,49.5 4.6,46.5 4.6,0.5 3.4,-0.7 -86.8,-0.7 -88.9,1.4
GND on GND2 "Bottom-No Net" (solid, remove dead copper, pour order 603): -89.3,49.6 3.3,49.6 5.5,47.4 5.5,1.9 2.5,-1.1 -87.8,-1.1 -90.8,1.9

## Keep-outs
Keep-Out Layer:
  lines w0.254: -86.901,16.656 -84.4,16.656 cw(c-84.413,16.142) -83.9,16.129 ; -86.901,16.66 cw(c-86.901,17.158) -87.4,17.158 -87.4,27.55 cw(c-86.85,27.5) -86.8,28.05 -84.3,28.05 ccw(c-84.35,28.5) -83.9,28.55 -83.9,35.55 ccw(c-84.35,35.6) -84.3,36.05 -86.8,36.05 cw(c-86.85,36.6) -87.4,36.55 -87.4,44 cw(c-83.4,44) -83.4,48 0,48 cw(c0,44) 4,44 4,38.4 cw(c3.5,38.4) 3.5,37.9 -4,37.9 ccw(c-4,37.4) -4.5,37.4 -4.5,29.49 ccw(c-4,29.49) -4,28.99 0.3,28.99 ccw(c0.3,29.49) 0.8,29.49 0.8,29.8 ccw(c0.299,29.801) 0.3,30.302 -0.425,30.302 ; -83.9,16.156 -83.9,10.7 cw(c-84.4,10.7) -84.4,10.2 -86.873,10.2 ccw(c-86.887,9.687) -87.4,9.7 -87.4,4 ccw(c-83.4,4) -83.4,0 -19.2,0 ccw(c-19.15,0.55) -18.6,0.5 -18.6,1.1 cw(c-18.1,1.1) -18.1,1.6 -5.2,1.6 cw(c-5.2,1.1) -4.7,1.1 -4.7,0.5 ccw(c-4.2,0.5) -4.2,0 0,0 ccw(c0,4) 4,4 4,20.2 ; -0.774,30.607 ccw(c-0.474,30.607) -0.474,30.307 ; -0.773,30.632 -0.773,34.752 cw(c-0.473,34.752) -0.473,35.052 3.653,35.052 ; 3.5,20.698 cw(c3.5,20.198) 4,20.198 ; 3.5,20.7 0,20.7 cw(c0,21.2) -0.5,21.2 -0.5,26.9 cw(c-0.005,26.895) 0,27.39 1.8,27.39 ccw(c1.8,27.89) 2.3,27.89 2.3,29.8 cw(c2.814,29.814) 2.8,30.328 3.747,30.328 ; 3.697,30.328 ccw(c3.697,30.628) 3.997,30.628 ; 3.7,35.052 cw(c3.7,34.752) 4,34.752 4,30.632

## Other copper
TOP:
  rectangle net IPSOUT: -20.632,34.036 -20.277,35.255
  rectangle net DCIN-5V: -32.342,34.366 -30.818,35.128
  rectangle net HPVCC: -41.439,43.84 -38.848,44.323
  rectangle net HPVCC: -39.966,43.917 -38.848,44.907
  rectangle net IPSOUT: -17.08,38.83 -15.556,39.338
  rectangle net DCIN-5V: -25.284,37.458 -24.929,37.712
  rectangle net N497492: -20.422,42.629 -19.657,44.534
  pour cut-out: -8.026,39.853 -8.026,43.637 -8.001,43.663 -3.886,43.663 -3.861,43.637 -3.861,42.494 -3.886,42.469 -3.759,42.342 -0.965,42.342 -0.965,39.751 -3.734,39.751 -3.912,39.573 -3.912,38.837 -8.026,38.837 -8.026,39.761
  region net IPSOUT: -22.884,42.977 -21.868,42.977 -21.868,41.707 -22.224,41.707 -22.224,42.494 -22.732,42.494 -22.884,42.773
  pour cut-out: -11.58,41.105 -11.31,41.105 -11.302,41.097 -11.302,41.224 -11.657,41.224 -11.683,41.249
  region net CPU-VDD: -18.591,40.335 -17.194,40.335 -16.61,40.919 -16.61,43.129 -16.153,43.586 -16.153,44.196 -15.721,44.628 -15.721,45.796 -11.556,45.796 -11.556,42.571 -11.55,42.565 -11.57,42.545 -16.102,42.545 -16.153,40.97 -17.017,40.056 -18.591,40.056
  region net WIFI_3V3: -17.245,40.462 -16.788,40.919 -16.788,43.18 -16.432,43.612 -16.432,44.196 -16.026,44.831 -16.026,45.796 -17.398,45.821 -17.398,40.945 -17.448,40.792 -18.591,40.792 -18.591,40.487 -18.566,40.462
  pour cut-out: -65.289,44.779 -65.291,44.78 -65.988,44.78 -65.988,43.942 -65.81,43.764 -65.531,43.764 -65.531,44.526 -65.302,44.755
  pour cut-out: -26.402,43.891 -26.402,43.205 -26.479,43.282 -28.434,43.282 -28.384,43.231 -28.384,42.596 -25.742,42.596 -25.666,42.672 -25.844,42.85 -25.844,43.891
  pour cut-out: -53.936,45.51 -53.936,44.062 -53.961,44.037 -58.66,44.037 -58.66,45.485 -58.685,45.51
  pour cut-out: -19.45,42.297 -19.401,42.248 -18.651,42.248 -18.651,41.869 -19.45,41.869
  pour cut-out: -16.12,42.565 -11.55,42.565 -11.516,42.599 -11.516,41.169 -16.12,41.169
  pour cut-out: -19.295,32.599 -19.284,32.588 -14.691,32.588 -14.691,31.136 -19.295,31.136
  pour cut-out: -53.823,30.183 -58.268,30.183 -63.221,25.23 -65.126,25.23 -72.873,32.977 -66.904,38.946 -62.586,38.946
  pour cut-out: -49.505,31.072 -53.823,31.072 -53.823,30.183 -49.505,30.183
  pour cut-out: -61.951,28.786 -61.697,28.532 -59.665,28.532 -59.665,23.579 -59.538,23.452 -63.094,23.452 -63.094,25.992 -63.257,26.155 -63.257,28.675
  pour cut-out: -70.206,15.578 -69.317,15.578 -69.317,13.673 -70.206,13.673
  pour cut-out: -77.572,28.278 -68.26,37.59 -68.174,37.59 -61.951,31.367 -71.349,21.969 -71.349,21.928
  pour cut-out: -77.572,28.278 -68.174,37.676 -68.174,37.59 -61.951,31.367 -71.349,21.969 -71.349,21.928
  pour cut-out: -24.651,37.565 -24.652,37.564 -24.652,36.874 -24.151,36.874 -24.107,36.829 -24.107,37.612 -24.529,37.612
  pour cut-out: -81.037,42.312 -80.987,42.312 -80.987,42.414 -81.037,42.414
  region net WIFI_3V3: -21.843,35.585 -21.843,35.001 -22.249,34.595 -22.63,34.188 -22.681,33.198 -21.589,33.198 -21.589,34.391 -21.487,34.595 -21.462,35.585
  region net BAT: -24.814,35.077 -24.814,34.341 -23.138,34.366 -22.325,35.179 -22.325,35.788 -23.036,35.788 -23.036,35.433 -23.113,35.077
  region net BAT: -23.748,30.861 -23.748,31.343 -22.3,31.343 -22.3,30.937 -22.478,30.759 -23.138,30.759 -23.138,29.108 -24.814,29.108 -24.814,30.861
  region net VINT: -24.433,40.741 -25.297,40.741 -25.297,40.589 -26.135,40.589 -26.135,39.776 -25.449,39.776 -25.373,39.852 -25.373,40.106 -25.297,40.132 -24.992,40.132 -24.433,40.106
  region net USBVBUS: -25.424,38.836 -25.322,38.963 -25.322,39.37 -24.713,39.37 -24.713,38.938 -24.586,38.786 -24.547,38.731 -24.179,38.735 -23.824,38.735 -23.824,38.481 -25.246,38.481 -25.272,38.43 -25.399,38.1 -25.449,37.973 -26.135,37.973 -26.135,38.836
  region net DCIN-5V: -26.135,37.719 -25.399,37.719 -25.272,37.795 -25.272,38.049 -25.17,38.125 -25.17,38.379 -24.103,38.379 -24.103,37.693 -24.789,37.693 -24.789,37.49 -25.068,37.135 -26.135,37.135
  region net IPSOUT: -24.103,36.833 -24.107,36.829 -24.107,36.83 -24.713,36.83 -24.713,35.382 -25.018,35.077 -25.018,32.69 -27.151,32.69 -27.151,33.756 -25.881,33.756 -25.881,36.906 -25.145,36.906 -24.662,37.389 -24.662,37.554 -24.65,37.566 -24.103,37.566
  pour cut-out: 4.234,17.018 0.805,17.018 0.78,16.992 0.78,9.042 4.742,9.042
  pour cut-out: 4.539,35.814 -2.776,35.814 -2.878,35.712 -2.852,35.687 -2.852,28.931 4.792,28.931
  pour cut-out: -5.723,38.811 -5.723,28.702 -2.624,28.702 -2.624,37.058 -2.675,37.109 -2.624,37.16 0.907,37.16 0.907,38.811
  pour cut-out: 4.877,26.681 4.877,30.542 -2.184,30.542 -2.261,30.618 -2.87,30.009 -2.87,28.967 -2.819,28.916 -1.016,28.916 -1.016,26.656
  pour cut-out: 4.877,26.695 4.877,30.556 -2.184,30.556 -2.261,30.632 -2.87,30.023 -2.87,28.981 -2.819,28.931 -1.016,28.931 -1.016,26.67
Singal:
  pour cut-out: -6.387,43.129 -2.323,43.129 -2.323,38.755 -6.387,38.755
  pour cut-out: -5.189,38.811 -5.723,38.278 -5.723,28.702 -2.624,28.702 -2.624,37.058 -2.675,37.109 -2.624,37.16 0.907,37.16 0.907,38.811
  pour cut-out: 4.234,17.043 0.805,17.043 0.78,17.018 0.78,9.068 4.742,9.068
  pour cut-out: -58.063,21.666 -56.742,21.666 -56.793,21.615 -56.793,12.471 -57.936,12.471 -58.063,12.598
  pour cut-out: 4.877,26.695 4.877,30.556 -2.184,30.556 -2.261,30.632 -2.87,30.023 -2.87,28.981 -2.819,28.931 -1.016,28.931 -1.016,26.67
POWER:
  rectangle net CORE-VDD: -28.303,35.237 -28.075,39.116
  rectangle net CPU-VDD: -31.021,45.11 -24.823,45.618
  rectangle net CORE-VDD: -30.335,34.518 -29.878,36.22
  rectangle net CORE-VDD: -42.578,19.71 -41.562,24.485
  pour cut-out: -6.387,43.129 -2.323,43.129 -2.323,38.755 -6.387,38.755
  pour cut-out: -5.189,38.811 -5.723,38.278 -5.723,28.702 -2.624,28.702 -2.624,37.058 -2.675,37.109 -2.624,37.16 0.907,37.16 0.907,38.811
  pour cut-out: 4.234,17.043 0.805,17.043 0.78,17.018 0.78,9.068 4.742,9.068
  pour cut-out: -60.451,6.197 -60.451,5.461 -60.4,5.41 -58.596,7.213 -58.571,7.213 -58.571,7.366 -56.361,9.576 -56.539,9.753 -56.768,9.753
  pour cut-out: -47.014,31.623 -46.608,31.623 -46.608,30.835 -47.37,30.073 -48.182,30.073 -48.182,30.302 -48.233,30.353 -47.014,31.572
  pour cut-out: -66.733,14.529 -59.19,14.529 -58.936,14.783 -58.936,23.469 -58.834,23.571 -58.428,23.571 -58.377,23.52 -58.377,14.275 -58.504,14.148 -66.733,14.148
  pour cut-out: -32.337,42.672 -32.342,42.667 -32.342,41.554 -32.367,41.529 -34.653,41.529 -34.653,42.24 -34.628,42.265
  pour cut-out: -76.893,34.899 -76.436,34.442 -76.436,34.417 -74.303,36.55 -74.938,37.185 -75.268,37.185 -77.147,35.306
  pour cut-out: -23.812,44.577 -19.214,44.577 -19.189,44.552 -19.189,43.942 -23.812,43.942
  pour cut-out: -16.242,38.71 -17.97,38.71 -17.97,34.112 -17.766,33.909 -15.836,33.909 -15.836,38.659 -15.811,38.684
  pour cut-out: -17.944,43.078 -17.944,39.675 -15.963,39.675 -15.938,39.7 -16.039,39.802 -16.039,42.977
  pour cut-out: -18.046,44.425 -18.046,43.815 -15.836,43.815 -15.836,44.348 -15.887,44.399
  pour cut-out: -25.361,33.63 -25.412,33.68 -25.412,35.357 -20.687,35.357 -20.662,35.331 -20.687,35.306 -20.687,34.188 -19.214,34.188 -19.163,34.239 -19.113,34.188 -15.811,34.188 -15.811,33.655 -15.938,33.528 -16.115,33.706 -25.412,33.706
  pour cut-out: 4.877,26.681 4.877,30.542 -2.184,30.542 -2.261,30.618 -2.87,30.009 -2.87,28.967 -2.819,28.916 -1.016,28.916 -1.016,26.656
  pour cut-out: 4.877,26.695 4.877,30.556 -2.184,30.556 -2.261,30.632 -2.87,30.023 -2.87,28.981 -2.819,28.931 -1.016,28.931 -1.016,26.67
GND1:
  pour cut-out: -6.387,43.129 -2.323,43.129 -2.323,38.755 -6.387,38.755
  pour cut-out: -5.189,38.811 -5.723,38.278 -5.723,28.702 -2.624,28.702 -2.624,37.058 -2.675,37.109 -2.624,37.16 0.907,37.16 0.907,38.811
  pour cut-out: 4.234,17.018 0.805,17.018 0.78,16.992 0.78,9.042 4.742,9.042
  pour cut-out: 4.877,26.695 4.877,30.556 -2.184,30.556 -2.261,30.632 -2.87,30.023 -2.87,28.981 -2.819,28.931 -1.016,28.931 -1.016,26.67
GND2:
  pour cut-out: -6.387,43.129 -2.323,43.129 -2.323,38.755 -6.387,38.755
  pour cut-out: -5.189,38.811 -5.723,38.278 -5.723,28.702 -2.624,28.702 -2.624,37.058 -2.675,37.109 -2.624,37.16 0.907,37.16 0.907,38.811
  pour cut-out: 4.234,17.018 0.805,17.018 0.78,16.992 0.78,9.042 4.742,9.042
  pour cut-out: 4.877,26.695 4.877,30.556 -2.184,30.556 -2.261,30.632 -2.87,30.023 -2.87,28.981 -2.819,28.931 -1.016,28.931 -1.016,26.67
BOTTOM:
  rectangle net CORE-VDD: -51.062,18.237 -49.614,19.253
  rectangle net DRAM-VCC: -81.368,15.824 -78.65,17.094
  rectangle net VCC-5V: -30.187,19.406 -28.688,20.599
  rectangle net USBVBUS: -34.247,42.773 -32.803,44.78
  rectangle net DCIN-5V: -34.022,35.23 -32.143,36.322
  rectangle net VCC-5V: -69.811,4.597 -67.627,6.782
  rectangle net BAT: -69.938,2.438 -68.16,3.607
  rectangle net VCC-WIFI-3V3: -5.418,12.446 -4.834,13.817
  rectangle net IPSOUT: -26.398,20.675 -25.89,22.25
  rectangle net USBVBUS: -33.891,43.993 -32.85,45.567
  pour cut-out: -3.8,43.129 -3.8,40.9 -3.9,40.8 -6.387,40.8 -6.387,38.755 -2.323,38.755 -2.323,43.129
  pour cut-out: -1.557,27.396 -1.549,27.389 -1.549,25.019 -0.229,25.019 -0.178,25.07 -0.178,27.915
  pour cut-out: -2.351,28.155 -2.238,28.042 -1.448,28.042 -1.118,28.372 -1.118,29.185 -2.235,29.185 -2.362,29.312
  pour cut-out: -5.189,38.811 -5.723,38.278 -5.723,28.702 -2.624,28.702 -2.624,37.058 -2.675,37.109 -2.624,37.16 0.907,37.16 0.907,38.811
  pour cut-out: -53.847,6.604 -53.796,6.655 -52.043,6.655 -52.043,6.172 -52.069,6.197 -53.821,6.197
  pour cut-out: 2.532,16.967 2.532,14.275 2.558,14.249 2.583,14.275 3.244,14.275 3.244,17.018 3.269,16.992 4.082,16.992 4.082,9.042 4.056,9.017 2.939,9.017 2.939,10.058 1.897,10.058 1.897,8.966 1.859,9.004 0.818,9.004 0.818,16.954 0.805,16.967
  pour cut-out: -32.224,41.91 -32.219,41.905 -32.219,41.123 -25.285,41.123 -25.361,41.199 -25.361,41.656
  pour cut-out: -28.124,26.307 -27.85,26.307 -27.85,26.167 -28.124,26.167
  pour cut-out: -77.735,45.942 -77.786,45.891 -77.786,41.243 -76.364,41.243 -76.313,41.192 -76.161,41.345 -76.161,45.91
  pour cut-out: -23.633,18.563 -23.633,18.004 -23.938,18.004 -23.938,18.106 -23.71,18.106 -23.735,18.131 -23.735,18.563
  pour cut-out: -28.129,17.979 -28.434,17.979 -28.439,17.984 -28.439,18.258 -28.256,18.258 -28.256,18.106 -28.155,18.106 -28.129,18.08
  pour cut-out: -23.633,18.563 -23.633,19.731 -23.684,19.782 -23.71,19.757 -23.71,18.563 -23.735,18.538
  pour cut-out: 0.818,16.954 0.818,17.281 0.831,17.294 0.935,17.294 0.935,17.237 1.048,17.124 0.982,17.059 0.982,16.938
  pour cut-out: 4.877,26.695 4.877,30.556 -2.184,30.556 -2.261,30.632 -2.87,30.023 -2.87,28.981 -2.819,28.931 -1.016,28.931 -1.016,26.67

## Silkscreen, mask and mechanical layers (free items; w line width, h text height)
Silkscreen Top:
  lines w0.381: -82.4,17.2 -82.4,15 -80.2,15 ; -82.4,19.7 -82.4,21 ; -82.4,23.4 -82.4,24.8 ; -82.4,27.2 -82.4,29.75 -81.63,30.469 ; -79.809,32.287 -78.643,33.376 ; -77.6,15 -75.8,15 -75.8,14.5 ; -76.964,35.186 -72.928,39.04 ; -75.8,13 -75.8,12.5 -74.8,12.5 ; -72.2,12.5 -70.4,12.5 -70.4,11.3 ; -71.224,40.749 -69.76,42.147 ; -70.4,7 -70.4,0.6 -69.2,0.6 ; -70.4,8.8 -70.4,9.3 ; -69.736,42.132 -69.474,41.858 ; -67.704,39.998 -67.406,39.7 -66.5,39.7 ; -66.8,0.6 -65.8,0.6 ; -63.7,39.7 -60.9,39.7 ; -63.2,0.6 -61.8,0.6 ; -58.2,0.6 -55.2,0.6 ; -57.3,39.7 -54.8,39.7 ; -52.2,39.7 -51.2,39.7 -51.2,39 ; -51.6,0.6 -48.6,0.6 ; -51.2,37 -48.9,37 ; -51.2,37.022 -51.2,37.6 ; -46.6,37 -46,37 -46,36.5 ; -46,31 -46,27.45 -35.9,27.45 -35.9,22 ; -46,33.5 -46,34.1 ; -45.1,0.6 -42.1,0.6 ; -38.6,0.6 -35.9,0.6 -35.9,1.2 ; -35.9,3 -35.9,5.7 ; -35.9,7.6 -35.9,10.1 ; -35.9,12.5 -35.9,14 ; -35.9,15.4 -35.9,20.6
  text "11BRANMB10G-ClearGrass-2017/8/26-PVT" at -51.283,46.507 h1.27
  text "4#" at -68.058,1.676 h0.76 r90
Silkscreen Bottom:
  drawing of 636 lines, arcs and shapes, not listed
  text "4#" at -10.019,20.599 h0.76
  text "Danger! Electric" at -62.343,18.713 h0.76